# Allegro board 6089-119-RevA_41.brd (continued)
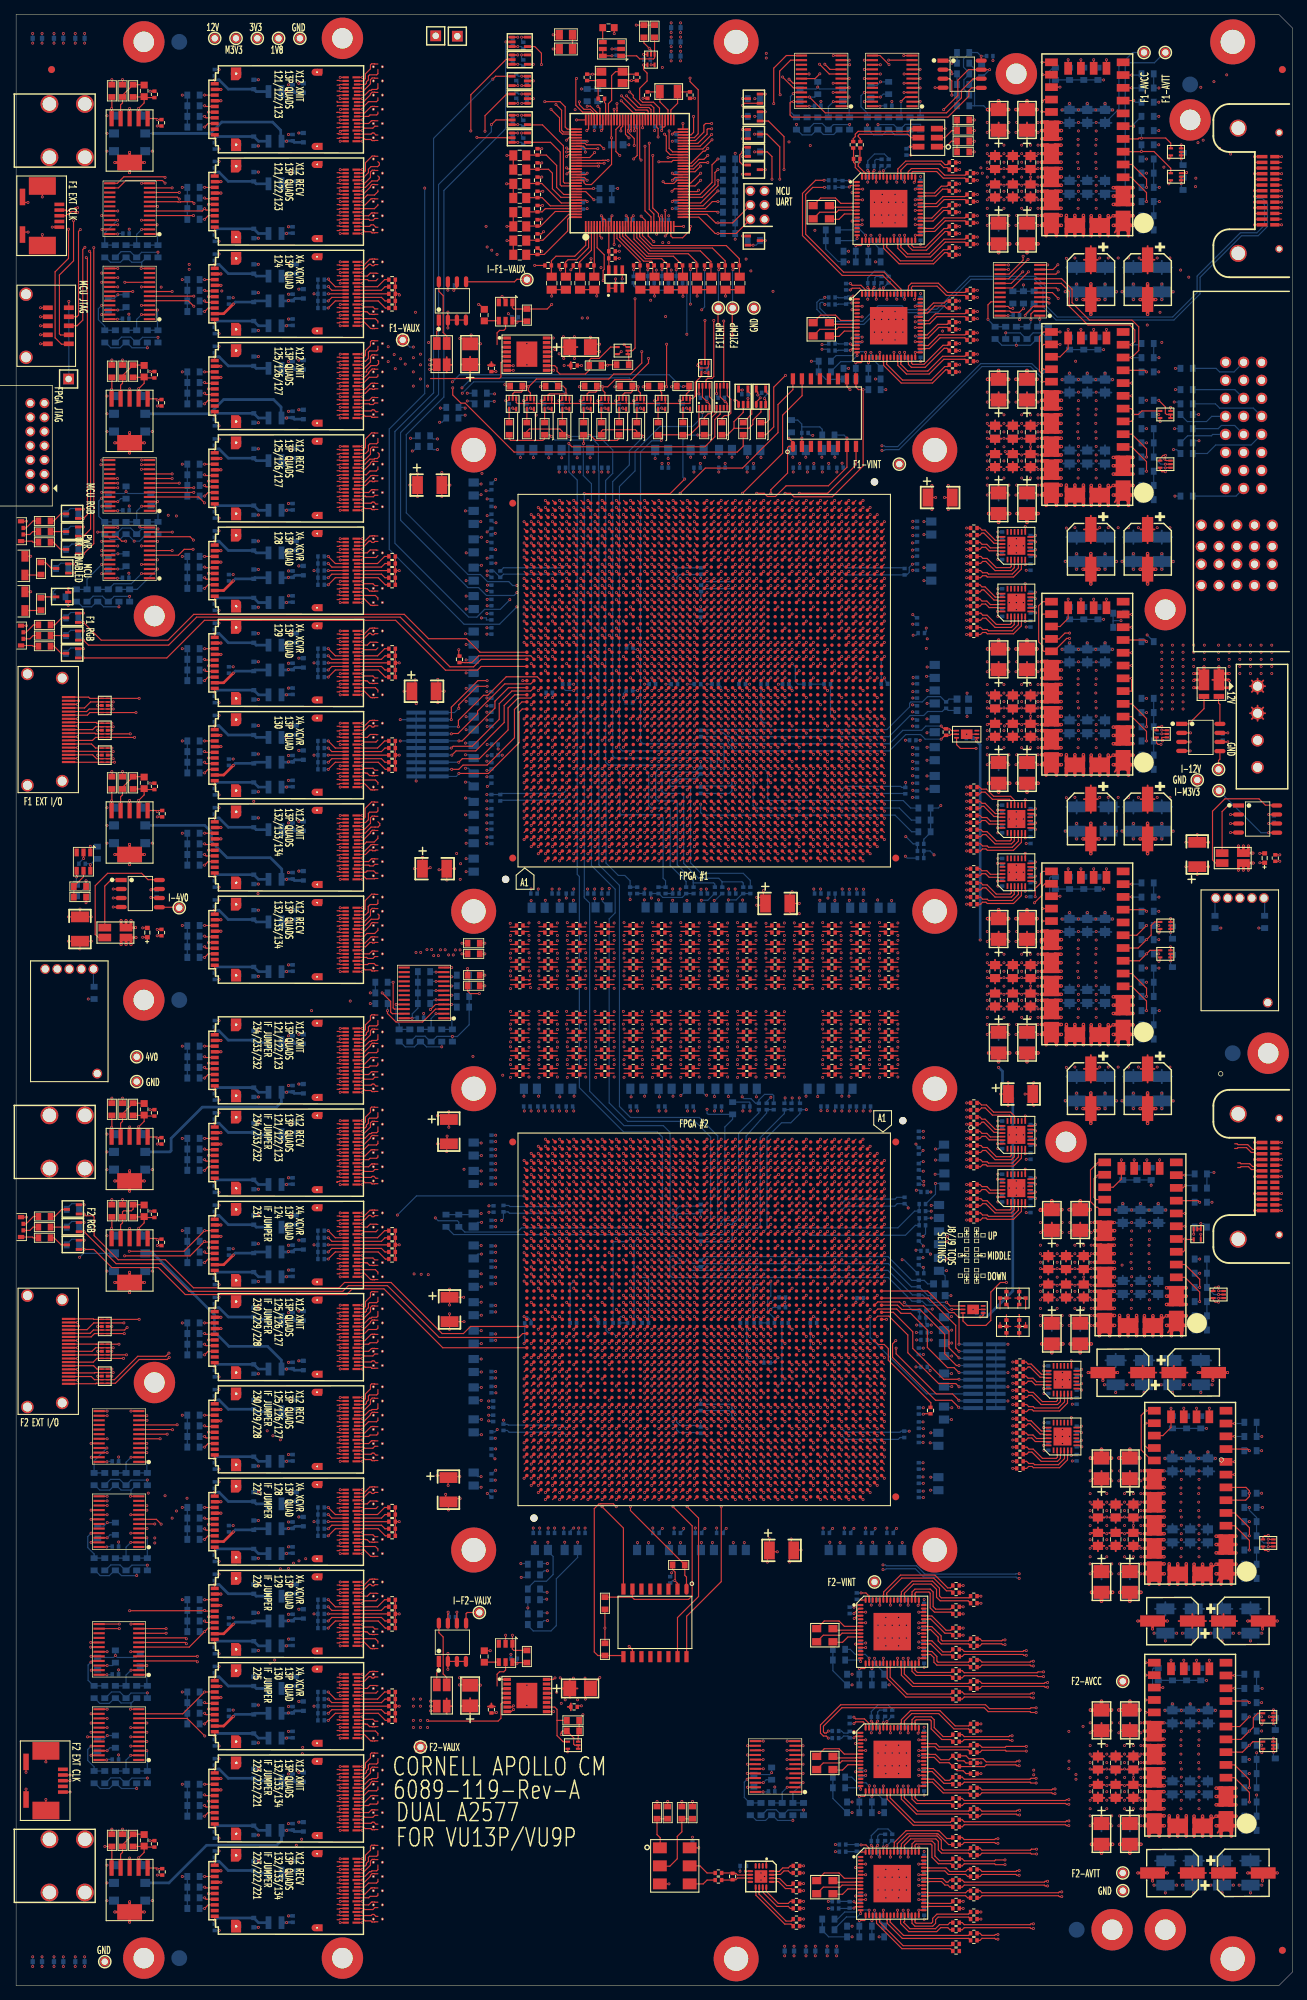
[diagram p0: board, top side]
## Nets (continued)
PCON1_TCDS_OUT: P2.22 U75.BH39
PCON2_TCDS_IN: J8.7 U77.BG32
PCON2_TCDS_MIXED_IN: J8.5 P3.21
PCON2_TCDS_MIXED_OUT: J9.5 P3.22
PCON2_TCDS_OUT: J9.7 U77.BH39
PF1_A_RECV0: C218.1 U75.AU2
PF1_A_RECV1: C216.1 U75.AT4
PF1_A_RECV2: C214.1 U75.AR2
PF1_A_RECV3: C212.1 U75.AP4
PF1_A_XMIT0: C226.2 U75.AU7
PF1_A_XMIT1: C224.2 U75.AT9
PF1_A_XMIT2: C222.2 U75.AR7
PF1_A_XMIT3: C220.2 U75.AP9
PF1_B_RECV0: C202.1 U75.AN2
PF1_B_RECV1: C200.1 U75.AM4
PF1_B_RECV2: C198.1 U75.AL2
PF1_B_RECV3: C196.1 U75.AK4
PF1_B_XMIT0: C210.2 U75.AN7
PF1_B_XMIT1: C208.2 U75.AM9
PF1_B_XMIT2: C206.2 U75.AL7
PF1_B_XMIT3: C204.2 U75.AK9
PF1_C_RECV0: C182.1 U75.AJ2
PF1_C_RECV1: C180.1 U75.AH4
PF1_C_RECV2: C178.1 U75.AG2
PF1_C_RECV3: C176.1 U75.AF4
PF1_C_XMIT0: C190.2 U75.AJ7
PF1_C_XMIT1: C188.2 U75.AH9
PF1_C_XMIT2: C186.2 U75.AG7
PF1_C_XMIT3: C184.2 U75.AF9
PF1_D_RECV0: C164.1 U75.AE2
PF1_D_RECV1: C162.1 U75.AD4
PF1_D_RECV2: C160.1 U75.AC2
PF1_D_RECV3: C158.1 U75.AB4
PF1_D_XMIT0: C172.2 U75.AE7
PF1_D_XMIT1: C170.2 U75.AD9
PF1_D_XMIT2: C168.2 U75.AC7
PF1_D_XMIT3: C166.2 U75.AB9
PF1_E_RECV0: C145.1 U75.AA2
PF1_E_RECV1: C143.1 U75.Y4
PF1_E_RECV2: C141.1 U75.W2
PF1_E_RECV3: C139.1 U75.V4
PF1_E_XMIT0: C153.2 U75.AA7
PF1_E_XMIT1: C151.2 U75.Y9
PF1_E_XMIT2: C149.2 U75.W7
PF1_E_XMIT3: C147.2 U75.V9
PF1_F_RECV0: C125.1 U75.U2
PF1_F_RECV1: C123.1 U75.T4
PF1_F_RECV2: C121.1 U75.R2
PF1_F_RECV3: C119.1 U75.P4
PF1_F_XMIT0: C133.2 U75.U7
PF1_F_XMIT1: C131.2 U75.T9
PF1_F_XMIT2: C129.2 U75.R7
PF1_F_XMIT3: C127.2 U75.P9
PF1_FF1_RECV0: U25A.A18 U75.BB48
PF1_FF1_RECV1: U25A.B18 U75.BC50
PF1_FF1_RECV2: U25A.A15 U75.BD48
PF1_FF1_RECV3: U25A.B15 U75.BE50
PF1_FF1_RECV4: U25A.A12 U75.BF48
PF1_FF1_RECV5: U25A.B12 U75.BG46
PF1_FF1_RECV6: U25A.A9 U75.BG50
PF1_FF1_RECV7: U25A.B9 U75.BH48
PF1_FF1_RECV8: U25A.A6 U75.BJ46
PF1_FF1_RECV9: U25A.B6 U75.BL46
PF1_FF1_RECV10: U25A.A3 U75.BL32
PF1_FF1_RECV11: U25A.B3 U75.BK34
PF1_FF1_XMIT0: U24A.B18 U75.BB43
PF1_FF1_XMIT1: U24A.A18 U75.BC45
PF1_FF1_XMIT2: U24A.B15 U75.BD43
PF1_FF1_XMIT3: U24A.A15 U75.BE45
PF1_FF1_XMIT4: U24A.B12 U75.BF43
PF1_FF1_XMIT5: U24A.A12 U75.BH43
PF1_FF1_XMIT6: U24A.B9 U75.BJ41
PF1_FF1_XMIT7: U24A.A9 U75.BG41
PF1_FF1_XMIT8: U24A.B6 U75.BK43
PF1_FF1_XMIT9: U24A.A6 U75.BL41
PF1_FF1_XMIT10: U24A.B3 U75.BK39
PF1_FF1_XMIT11: U24A.A3 U75.BL37
PF1_FF2_RECV0: U28A.A18 U75.AF48
PF1_FF2_RECV1: U28A.B18 U75.AG50
PF1_FF2_RECV2: U28A.A15 U75.AH48
PF1_FF2_RECV3: U28A.B15 U75.AJ50
PF1_FF2_RECV4: U28A.A12 U75.AK48
PF1_FF2_RECV5: U28A.B12 U75.AL50
PF1_FF2_RECV6: U28A.A9 U75.AM48
PF1_FF2_RECV7: U28A.B9 U75.AN50
PF1_FF2_RECV8: U28A.A6 U75.AP48
PF1_FF2_RECV9: U28A.B6 U75.AR50
PF1_FF2_RECV10: U28A.A3 U75.AT48
PF1_FF2_RECV11: U28A.B3 U75.AU50
PF1_FF2_XMIT0: U27A.B18 U75.AF43
PF1_FF2_XMIT1: U27A.A18 U75.AG45
PF1_FF2_XMIT2: U27A.B15 U75.AH43
PF1_FF2_XMIT3: U27A.A15 U75.AJ45
PF1_FF2_XMIT4: U27A.B12 U75.AK43
PF1_FF2_XMIT5: U27A.A12 U75.AL45
PF1_FF2_XMIT6: U27A.B9 U75.AM43
PF1_FF2_XMIT7: U27A.A9 U75.AN45
PF1_FF2_XMIT8: U27A.B6 U75.AP43
PF1_FF2_XMIT9: U27A.A6 U75.AR45
PF1_FF2_XMIT10: U27A.B3 U75.AT43
PF1_FF2_XMIT11: U27A.A3 U75.AU45
PF1_FF3_RECV0: U33A.A18 U75.C32
PF1_FF3_RECV1: U33A.B18 U75.B34
PF1_FF3_RECV2: U33A.A15 U75.A32
PF1_FF3_RECV3: U33A.B15 U75.A46
PF1_FF3_RECV4: U33A.A12 U75.C46
PF1_FF3_RECV5: U33A.B12 U75.E46
PF1_FF3_RECV6: U33A.A9 U75.D48
PF1_FF3_RECV7: U33A.B9 U75.E50
PF1_FF3_RECV8: U33A.A6 U75.F48
PF1_FF3_RECV9: U33A.B6 U75.G50
PF1_FF3_RECV10: U33A.A3 U75.H48
PF1_FF3_RECV11: U33A.B3 U75.J50
PF1_FF3_XMIT0: U32A.B18 U75.C37
PF1_FF3_XMIT1: U32A.A18 U75.A37
PF1_FF3_XMIT2: U32A.B15 U75.B39
PF1_FF3_XMIT3: U32A.A15 U75.A41
PF1_FF3_XMIT4: U32A.B12 U75.E41
PF1_FF3_XMIT5: U32A.A12 U75.C41
PF1_FF3_XMIT6: U32A.B9 U75.B43
PF1_FF3_XMIT7: U32A.A9 U75.D43
PF1_FF3_XMIT8: U32A.B6 U75.F43
PF1_FF3_XMIT9: U32A.A6 U75.G45
PF1_FF3_XMIT10: U32A.B3 U75.H43
PF1_FF3_XMIT11: U32A.A3 U75.J45
PF1_FF4_RECV0: U26A.B17 U75.BA50
PF1_FF4_RECV1: U26A.A17 U75.AY48
PF1_FF4_RECV2: U26A.B14 U75.AW50
PF1_FF4_RECV3: U26A.A14 U75.AV48
PF1_FF4_XMIT0: U26A.A3 U75.BA45
PF1_FF4_XMIT1: U26A.B3 U75.AY43
PF1_FF4_XMIT2: U26A.A6 U75.AW45
PF1_FF4_XMIT3: U26A.B6(TX4P) U75.AV43
PF1_FF5_RECV0: U29A.B17 U75.AE50
PF1_FF5_RECV1: U29A.A17 U75.AD48
PF1_FF5_RECV2: U29A.B14 U75.AC50
PF1_FF5_RECV3: U29A.A14 U75.AB48
PF1_FF5_XMIT0: U29A.A3 U75.AE45
PF1_FF5_XMIT1: U29A.B3 U75.AD43
PF1_FF5_XMIT2: U29A.A6 U75.AC45
PF1_FF5_XMIT3: U29A.B6(TX4P) U75.AB43
PF1_FF6_RECV0: U30A.B17 U75.AA50
PF1_FF6_RECV1: U30A.A17 U75.Y48
PF1_FF6_RECV2: U30A.B14 U75.W50
PF1_FF6_RECV3: U30A.A14 U75.V48
PF1_FF6_XMIT0: U30A.A3 U75.AA45
PF1_FF6_XMIT1: U30A.B3 U75.Y43
PF1_FF6_XMIT2: U30A.A6 U75.W45
PF1_FF6_XMIT3: U30A.B6(TX4P) U75.V43
PF1_FF7_RECV0: U31A.B17 U75.U50
PF1_FF7_RECV1: U31A.A17 U75.T48
PF1_FF7_RECV2: U31A.B14 U75.R50
PF1_FF7_RECV3: U31A.A14 U75.P48
PF1_FF7_XMIT0: U31A.A3 U75.U45
PF1_FF7_XMIT1: U31A.B3 U75.T43
PF1_FF7_XMIT2: U31A.A6 U75.R45
PF1_FF7_XMIT3: U31A.B6(TX4P) U75.P43
PF1_G_RECV0: C106.1 U75.N2
PF1_G_RECV1: C104.1 U75.M4
PF1_G_RECV2: C102.1 U75.L2
PF1_G_RECV3: C100.1 U75.K4
PF1_G_XMIT0: C114.2 U75.N7
PF1_G_XMIT1: C112.2 U75.M9
PF1_G_XMIT2: C110.2 U75.L7
PF1_G_XMIT3: C108.2 U75.K9
PF1_H_RECV0: C85.1 U75.J2
PF1_H_RECV1: C83.1 U75.H4
PF1_H_RECV2: C81.1 U75.G2
PF1_H_RECV3: C79.1 U75.F4
PF1_H_XMIT0: C93.2 U75.J7
PF1_H_XMIT1: C91.2 U75.H9
PF1_H_XMIT2: C89.2 U75.G7
PF1_H_XMIT3: C87.2 U75.F9
PF1_I_RECV0: C65.1 U75.E2
PF1_I_RECV1: C63.1 U75.D4
PF1_I_RECV2: C58.1 U75.E6
PF1_I_RECV3: C60.1 U75.C6
PF1_I_XMIT0: C73.2 U75.D9
PF1_I_XMIT1: C71.2 U75.B9
PF1_I_XMIT2: C68.2 U75.C11
PF1_I_XMIT3: C66.2 U75.E11
PF1_J_RECV0: C48.1 U75.A6
PF1_J_RECV1: C46.1 U75.A20
PF1_J_RECV2: C44.1 U75.B18
PF1_J_RECV3: C42.1 U75.C20
PF1_J_XMIT0: C56.2 U75.A11
PF1_J_XMIT1: C54.2 U75.B13
PF1_J_XMIT2: C50.2 U75.A15
PF1_J_XMIT3: C52.2 U75.C15
PF1_M_RECV0: C284.1 U75.BK18
PF1_M_RECV1: C286.1 U75.BL20
PF1_M_RECV2: C282.1 U75.BL6
PF1_M_RECV3: C280.1 U75.BJ6
PF1_M_XMIT0: C294.2 U75.BL15
PF1_M_XMIT1: C292.2 U75.BK13
PF1_M_XMIT2: C290.2 U75.BL11
PF1_M_XMIT3: C288.2 U75.BK9
PF1_N_RECV0: C270.1 U75.BH4
PF1_N_RECV1: C266.1 U75.BG2
PF1_N_RECV2: C268.1 U75.BG6
PF1_N_RECV3: C264.1 U75.BF4
PF1_N_XMIT0: C274.2 U75.BG11
PF1_N_XMIT1: C278.2 U75.BJ11
PF1_N_XMIT2: C276.2 U75.BH9
PF1_N_XMIT3: C272.2 U75.BF9
PF1_O_RECV0: C252.1 U75.BE2
PF1_O_RECV1: C250.1 U75.BD4
PF1_O_RECV2: C248.1 U75.BC2
PF1_O_RECV3: C246.1 U75.BB4
PF1_O_XMIT0: C260.2 U75.BE7
PF1_O_XMIT1: C258.2 U75.BD9
PF1_O_XMIT2: C256.2 U75.BC7
PF1_O_XMIT3: C254.2 U75.BB9
PF1_TCDS_CROSS_RECV_A: C240.2 U75.BH34
PF1_TCDS_CROSS_RECV_B: C241.2 U75.BH18
PF1_TCDS_CROSS_XMIT_A: C237.2 U75.BG37
PF1_TCDS_CROSS_XMIT_B: C243.2 U75.BG15
PF1_TEST_CONN_0: J5.1 U5.5 U5.6(NC(D2-)) U75.BD28
PF1_TEST_CONN_1: J5.4 U5.2 U5.9 U75.AW31
PF1_TEST_CONN_2: J5.7 U4.5 U4.6(NC(D2-)) U75.AV29
PF1_TEST_CONN_3: J5.10 U4.2 U4.9 U75.AU31
PF1_TEST_CONN_4: J5.14 U3.5 U3.6(NC(D2-)) U75.AY30
PF1_TEST_CONN_5: J5.15 U3.4 U3.7 U75.BA29
PF1F2_SPARE0: U75.E30 U77.BG29
PF1F2_SPARE1: U75.D28 U77.BF29
PF1F2_SPARE2: U75.C29 U77.BG26
PF2_A_RECV0: C133.1 U77.AP4
PF2_A_RECV1: C131.1 U77.AR2
PF2_A_RECV2: C129.1 U77.AT4
PF2_A_RECV3: C127.1 U77.AU2
PF2_A_XMIT0: C125.2 U77.AP9
PF2_A_XMIT1: C123.2 U77.AR7
PF2_A_XMIT2: C121.2 U77.AT9
PF2_A_XMIT3: C119.2 U77.AU7
PF2_B_RECV0: C153.1 U77.AK4
PF2_B_RECV1: C151.1 U77.AL2
PF2_B_RECV2: C149.1 U77.AM4
PF2_B_RECV3: C147.1 U77.AN2
PF2_B_XMIT0: C145.2 U77.AK9
PF2_B_XMIT1: C143.2 U77.AL7
PF2_B_XMIT2: C141.2 U77.AM9
PF2_B_XMIT3: C139.2 U77.AN7
PF2_C_RECV0: C172.1 U77.AF4
PF2_C_RECV1: C170.1 U77.AG2
PF2_C_RECV2: C168.1 U77.AH4
PF2_C_RECV3: C166.1 U77.AJ2
PF2_C_XMIT0: C164.2 U77.AF9
PF2_C_XMIT1: C162.2 U77.AG7
PF2_C_XMIT2: C160.2 U77.AH9
PF2_C_XMIT3: C158.2 U77.AJ7
PF2_D_RECV0: C190.1 U77.AB4
PF2_D_RECV1: C188.1 U77.AC2
PF2_D_RECV2: C186.1 U77.AD4
PF2_D_RECV3: C184.1 U77.AE2
PF2_D_XMIT0: C182.2 U77.AB9
PF2_D_XMIT1: C180.2 U77.AC7
PF2_D_XMIT2: C178.2 U77.AD9
PF2_D_XMIT3: C176.2 U77.AE7
PF2_E_RECV0: C210.1 U77.V4
PF2_E_RECV1: C208.1 U77.W2
PF2_E_RECV2: C206.1 U77.Y4
PF2_E_RECV3: C204.1 U77.AA2
PF2_E_XMIT0: C202.2 U77.V9
PF2_E_XMIT1: C200.2 U77.W7
PF2_E_XMIT2: C198.2 U77.Y9
PF2_E_XMIT3: C196.2 U77.AA7
PF2_F_RECV0: C226.1 U77.P4
PF2_F_RECV1: C224.1 U77.R2
PF2_F_RECV2: C222.1 U77.T4
PF2_F_RECV3: C220.1 U77.U2
PF2_F_XMIT0: C218.2 U77.P9
PF2_F_XMIT1: C216.2 U77.R7
PF2_F_XMIT2: C214.2 U77.T9
PF2_F_XMIT3: C212.2 U77.U7
PF2_FF1_RECV0: U35A.A18 U77.BB48
PF2_FF1_RECV1: U35A.B18 U77.BC50
PF2_FF1_RECV2: U35A.A15 U77.BD48
PF2_FF1_RECV3: U35A.B15 U77.BE50
PF2_FF1_RECV4: U35A.A12 U77.BF48
PF2_FF1_RECV5: U35A.B12 U77.BG46
PF2_FF1_RECV6: U35A.A9 U77.BG50
PF2_FF1_RECV7: U35A.B9 U77.BH48
PF2_FF1_RECV8: U35A.A6 U77.BJ46
PF2_FF1_RECV9: U35A.B6 U77.BL46
PF2_FF1_RECV10: U35A.A3 U77.BL32
PF2_FF1_RECV11: U35A.B3 U77.BK34
PF2_FF1_XMIT0: U34A.B18 U77.BB43
PF2_FF1_XMIT1: U34A.A18 U77.BC45
PF2_FF1_XMIT2: U34A.B15 U77.BD43
PF2_FF1_XMIT3: U34A.A15 U77.BE45
PF2_FF1_XMIT4: U34A.B12 U77.BF43
PF2_FF1_XMIT5: U34A.A12 U77.BH43
PF2_FF1_XMIT6: U34A.B9 U77.BJ41
PF2_FF1_XMIT7: U34A.A9 U77.BG41
PF2_FF1_XMIT8: U34A.B6 U77.BK43
PF2_FF1_XMIT9: U34A.A6 U77.BL41
PF2_FF1_XMIT10: U34A.B3 U77.BK39
PF2_FF1_XMIT11: U34A.A3 U77.BL37
PF2_FF2_RECV0: U38A.A18 U77.AF48
PF2_FF2_RECV1: U38A.B18 U77.AG50
PF2_FF2_RECV2: U38A.A15 U77.AH48
PF2_FF2_RECV3: U38A.B15 U77.AJ50
PF2_FF2_RECV4: U38A.A12 U77.AK48
PF2_FF2_RECV5: U38A.B12 U77.AL50
PF2_FF2_RECV6: U38A.A9 U77.AM48
PF2_FF2_RECV7: U38A.B9 U77.AN50
PF2_FF2_RECV8: U38A.A6 U77.AP48
PF2_FF2_RECV9: U38A.B6 U77.AR50
PF2_FF2_RECV10: U38A.A3 U77.AT48
PF2_FF2_RECV11: U38A.B3 U77.AU50
PF2_FF2_XMIT0: U37A.B18 U77.AF43
PF2_FF2_XMIT1: U37A.A18 U77.AG45
PF2_FF2_XMIT2: U37A.B15 U77.AH43
PF2_FF2_XMIT3: U37A.A15 U77.AJ45
PF2_FF2_XMIT4: U37A.B12 U77.AK43
PF2_FF2_XMIT5: U37A.A12 U77.AL45
PF2_FF2_XMIT6: U37A.B9 U77.AM43
PF2_FF2_XMIT7: U37A.A9 U77.AN45
PF2_FF2_XMIT8: U37A.B6 U77.AP43
PF2_FF2_XMIT9: U37A.A6 U77.AR45
PF2_FF2_XMIT10: U37A.B3 U77.AT43
PF2_FF2_XMIT11: U37A.A3 U77.AU45
PF2_FF3_RECV0: U43A.A18 U77.C32
PF2_FF3_RECV1: U43A.B18 U77.B34
PF2_FF3_RECV2: U43A.A15 U77.A32
PF2_FF3_RECV3: U43A.B15 U77.A46
PF2_FF3_RECV4: U43A.A12 U77.C46
PF2_FF3_RECV5: U43A.B12 U77.E46
PF2_FF3_RECV6: U43A.A9 U77.D48
PF2_FF3_RECV7: U43A.B9 U77.E50
PF2_FF3_RECV8: U43A.A6 U77.F48
PF2_FF3_RECV9: U43A.B6 U77.G50
PF2_FF3_RECV10: U43A.A3 U77.H48
PF2_FF3_RECV11: U43A.B3 U77.J50
PF2_FF3_XMIT0: U42A.B18 U77.C37
PF2_FF3_XMIT1: U42A.A18 U77.A37
PF2_FF3_XMIT2: U42A.B15 U77.B39
PF2_FF3_XMIT3: U42A.A15 U77.A41
PF2_FF3_XMIT4: U42A.B12 U77.E41
PF2_FF3_XMIT5: U42A.A12 U77.C41
PF2_FF3_XMIT6: U42A.B9 U77.B43
PF2_FF3_XMIT7: U42A.A9 U77.D43
PF2_FF3_XMIT8: U42A.B6 U77.F43
PF2_FF3_XMIT9: U42A.A6 U77.G45
PF2_FF3_XMIT10: U42A.B3 U77.H43
PF2_FF3_XMIT11: U42A.A3 U77.J45
PF2_FF4_RECV0: U36A.B17 U77.BA50
PF2_FF4_RECV1: U36A.A17 U77.AY48
PF2_FF4_RECV2: U36A.B14 U77.AW50
PF2_FF4_RECV3: U36A.A14 U77.AV48
PF2_FF4_XMIT0: U36A.A3 U77.BA45
PF2_FF4_XMIT1: U36A.B3 U77.AY43
PF2_FF4_XMIT2: U36A.A6 U77.AW45
PF2_FF4_XMIT3: U36A.B6(TX4P) U77.AV43
PF2_FF5_RECV0: U39A.B17 U77.AE50
PF2_FF5_RECV1: U39A.A17 U77.AD48
PF2_FF5_RECV2: U39A.B14 U77.AC50
PF2_FF5_RECV3: U39A.A14 U77.AB48
PF2_FF5_XMIT0: U39A.A3 U77.AE45
PF2_FF5_XMIT1: U39A.B3 U77.AD43
PF2_FF5_XMIT2: U39A.A6 U77.AC45
PF2_FF5_XMIT3: U39A.B6(TX4P) U77.AB43
PF2_FF6_RECV0: U40A.B17 U77.AA50
PF2_FF6_RECV1: U40A.A17 U77.Y48
PF2_FF6_RECV2: U40A.B14 U77.W50
PF2_FF6_RECV3: U40A.A14 U77.V48
PF2_FF6_XMIT0: U40A.A3 U77.AA45
PF2_FF6_XMIT1: U40A.B3 U77.Y43
PF2_FF6_XMIT2: U40A.A6 U77.W45
PF2_FF6_XMIT3: U40A.B6(TX4P) U77.V43
PF2_FF7_RECV0: U41A.B17 U77.U50
PF2_FF7_RECV1: U41A.A17 U77.T48
PF2_FF7_RECV2: U41A.B14 U77.R50
PF2_FF7_RECV3: U41A.A14 U77.P48
PF2_FF7_XMIT0: U41A.A3 U77.U45
PF2_FF7_XMIT1: U41A.B3 U77.T43
PF2_FF7_XMIT2: U41A.A6 U77.R45
PF2_FF7_XMIT3: U41A.B6(TX4P) U77.P43
PF2_H_RECV0: C260.1 U77.F4
PF2_H_RECV1: C258.1 U77.G2
PF2_H_RECV2: C256.1 U77.H4
PF2_H_RECV3: C254.1 U77.J2
PF2_H_XMIT0: C252.2 U77.F9
PF2_H_XMIT1: C250.2 U77.G7
PF2_H_XMIT2: C248.2 U77.H9
PF2_H_XMIT3: C246.2 U77.J7
PF2_I_RECV0: C274.1 U77.C6
PF2_I_RECV1: C278.1 U77.E6
PF2_I_RECV2: C276.1 U77.D4
PF2_I_RECV3: C272.1 U77.E2
PF2_I_XMIT0: C270.2 U77.E11
PF2_I_XMIT1: C266.2 U77.C11
PF2_I_XMIT2: C268.2 U77.B9
PF2_I_XMIT3: C264.2 U77.D9
PF2_J_RECV0: C294.1 U77.C20
PF2_J_RECV1: C292.1 U77.B18
PF2_J_RECV2: C290.1 U77.A20
PF2_J_RECV3: C288.1 U77.A6
PF2_J_XMIT0: C284.2 U77.C15
PF2_J_XMIT1: C286.2 U77.A15
PF2_J_XMIT2: C282.2 U77.B13
PF2_J_XMIT3: C280.2 U77.A11
PF2_M_RECV0: C56.1 U77.BJ6
PF2_M_RECV1: C54.1 U77.BL6
PF2_M_RECV2: C50.1 U77.BL20
PF2_M_RECV3: C52.1 U77.BK18
PF2_M_XMIT0: C48.2 U77.BK9
PF2_M_XMIT1: C46.2 U77.BL11
PF2_M_XMIT2: C44.2 U77.BK13
PF2_M_XMIT3: C42.2 U77.BL15
PF2_N_RECV0: C73.1 U77.BF4
PF2_N_RECV1: C71.1 U77.BG6
PF2_N_RECV2: C68.1 U77.BG2
PF2_N_RECV3: C66.1 U77.BH4
PF2_N_XMIT0: C65.2 U77.BF9
PF2_N_XMIT1: C63.2 U77.BH9
PF2_N_XMIT2: C58.2 U77.BJ11
PF2_N_XMIT3: C60.2 U77.BG11
PF2_O_RECV0: C93.1 U77.BB4
PF2_O_RECV1: C91.1 U77.BC2
PF2_O_RECV2: C89.1 U77.BD4
PF2_O_RECV3: C87.1 U77.BE2
PF2_O_XMIT0: C85.2 U77.BB9
PF2_O_XMIT1: C83.2 U77.BC7
PF2_O_XMIT2: C81.2 U77.BD9
PF2_O_XMIT3: C79.2 U77.BE7
PF2_P_RECV0: C114.1 U77.AV4
PF2_P_RECV1: C112.1 U77.AW2
PF2_P_RECV2: C110.1 U77.AY4
PF2_P_RECV3: C108.1 U77.BA2
PF2_P_XMIT0: C106.2 U77.AV9
PF2_P_XMIT1: C104.2 U77.AW7
PF2_P_XMIT2: C102.2 U77.AY9
PF2_P_XMIT3: C100.2 U77.BA7
PF2_TCDS_CROSS_RECV_A: C237.1 U77.BH34
PF2_TCDS_CROSS_RECV_B: C243.1 U77.BH18
PF2_TCDS_CROSS_XMIT_A: C240.1 U77.BG37
PF2_TCDS_CROSS_XMIT_B: C241.1 U77.BG15
PF2_TEST_CONN_0: J6.1 U8.5 U8.6(NC(D2-)) U77.BD28
PF2_TEST_CONN_1: J6.4 U8.2 U8.9 U77.AW31
PF2_TEST_CONN_2: J6.7 U7.5 U7.6(NC(D2-)) U77.AV29
PF2_TEST_CONN_3: J6.10 U7.2 U7.9 U77.AU31
PF2_TEST_CONN_4: J6.14 U6.5 U6.6(NC(D2-)) U77.AY30
PF2F1_SPARE0: U75.BG29 U77.E30
PF2F1_SPARE1: U75.BF29 U77.D28
PF2F1_SPARE2: U75.BG26 U77.C29
PG_1V8: R239.2 R240.1 R241.2 U68.32
PG_3V3: R242.2 R243.1 R244.2 U68.31
PG_4V0: R674.1 U2.1 U68.22
PG_F1_AVCC: R212.2 R213.1 R214.2 U68.44
PG_F1_AVTT: R209.2 R210.1 R211.2 U68.45
PG_F1_INT_A: U68.42 U110.4(Y)
PG_F1_INT_A1: R230.2 R231.1 R232.2 U110.1
PG_F1_INT_A2: R227.2 R228.1 R229.2 U110.2
PG_F1_INT_B: U68.43 U112.4(Y)
PG_F1_INT_B1: R223.2 R224.1 R225.2 U112.1
PG_F1_INT_B2: R220.2 R221.1 R222.2 U112.2
PG_F1_VCCAUX: R82.1 U47.1 U68.46
PG_F2_AVCC: R169.2 R170.1 R171.2 U68.59
PG_F2_AVTT: R166.2 R167.1 R168.2 U68.60
PG_F2_INT_A: U68.57 U124.4(Y)
PG_F2_INT_A1: R157.2 R158.1 R159.2 U124.1
PG_F2_INT_A2: R154.2 R155.1 R156.2 U124.2
PG_F2_INT_B: U68.58 U121.4(Y)
PG_F2_INT_B1: R180.2 R181.1 R182.2 U121.1
PG_F2_INT_B2: R177.2 R178.1 R179.2 U121.2
PG_F2_VCCAUX: R84.1 U48.1 U68.61
PMGT_F1_TO_SM_1: P2.9 U75.BH13
PMGT_F1_TO_SM_2: P2.10 U75.BF13
PMGT_F2_TO_SM_1: P3.9 U77.BH13
PMGT_F2_TO_SM_2: P3.10 U77.BF13
PMGT_SM_TO_F1_1: P2.3 U75.BG20
PMGT_SM_TO_F1_2: P2.4 U75.BF18
PMGT_SM_TO_F2_1: P3.3 U77.BG20
PMGT_SM_TO_F2_2: P3.4 U77.BF18
PTCDS_FROM_ZYNQ_A: J8.8 U75.BJ32
PTCDS_FROM_ZYNQ_B: J8.6 U75.BJ20
PTCDS_TO_ZYNQ_A: J9.8 U75.BJ37
PTCDS_TO_ZYNQ_B: J9.6 U75.BJ15
PV_1V8_SENSE: R78.1 U108.21
PV_3V3_SENSE: R76.1 U108.17
PV_F1_AVCC_SENSE: R474.1 U105.17
PV_F1_AVTT_SENSE: R481.1 U105.21
PV_F1_INT_SENSE: R487.1 U106.17 U106.21 U107.17 U107.21
PV_F2_AVCC_SENSE: R464.1 U118.17
PV_F2_AVTT_SENSE: R467.1 U118.21
PV_F2_INT_SENSE: R462.1 U109.17 U109.21 U117.17 U117.21
PXTAL_R0A: U86.8 X3.1
PXTAL_R0B: U87.8 X4.1
PXTAL_R1A: U91.8 X7.1
PXTAL_R1B: U90.8 X6.1
PXTAL_R1C: U89.8 X5.1
SM_CPLD_GPIO0: R186.2 R414.1 U68.40
SM_CPLD_GPIO1: R185.2 R413.1 U68.41
SM_IPMC_I2C_SCL: P1.22 R457.1 U68.91
SM_IPMC_I2C_SDA: P1.6 R458.1 U68.92
SM_IPMC_RX: R190.2 R415.1 U68.38
SM_IPMC_TX: R191.2 R416.1 U68.37
SM_JTAG_TCK: P1.18 R105.2 U62.2 U63.2
SM_JTAG_TDI: P1.19 R123.2 U73.2
SM_JTAG_TDO: P1.3 R138.2
SM_JTAG_TMS: P1.2 R81.2 U49.2 U58.2
SM_SOFT_PWR_EN: P1.7 U68.30
SM_TO_CM_PWR_EN: P1.17 R120.1 U70.2
SM_ZYNQ_GPIO1: R192.2 U68.25
SM_ZYNQ_GPIO2: R189.2 U68.24(UART7_TX/PC5)
SM_ZYNQ_I2C_SCL: P1.8 R418.1 U68.35
SM_ZYNQ_I2C_SDA: P1.23 R417.1 U68.36
SM_ZYNQ_RX: J7.4 R188.2 R419.1 U68.34
SM_ZYNQ_TX: J7.2 R187.2 R420.1 U68.33
SPARE_GPIO0: TP3.1 U68.111
SPARE_GPIO1: TP2.1 U68.112
SYN_R0A_IN_SEL0: U86.3 U88.15
SYN_R0A_IN_SEL1: U86.4 U88.16
SYN_R0B_IN_SEL0: U87.3 U88.17
SYN_R0B_IN_SEL1: U87.4 U88.18
SYN_R1A_IN_SEL0: U83.15 U91.3
SYN_R1A_IN_SEL1: U83.16 U91.4
SYN_R1B_IN_SEL0: U83.17 U90.3
SYN_R1B_IN_SEL1: U83.18 U90.4
SYN_R1C_IN_SEL0: U83.19 U89.3
SYN_R1C_IN_SEL1: U83.20 U89.4
TM4C_VDDC: C930.1 U68.87 U68.115
V_1V8: C448.1 C456.1 C464.1 C489.1 C497.1 C607.1 C624.1 C633.1 C634.1 C642.1 C649.1 C650.1 C651.1 C652.1 C657.1 C658.1 C661.1 C662.1 C664.1 C665.1 C666.1 C674.1 C683.1 C684.1 C685.1 C686.1 C687.1 C688.1 C689.1 C690.1 C691.1 C692.1 C693.1 C694.1 C695.1 C703.1 C711.1 C721.1 C723.1 C740.1 C741.1 C742.1 C743.1 C744.1 C745.1 C746.1 C747.1 C748.1 C749.1 C750.1 C751.1 C753.1 C754.1 C755.1 C756.1 C757.1 C758.1 C759.1 C760.1 C765.1 C770.1 C790.1 C791.1 C792.1 C793.1 C794.1 C795.1 C796.1 C797.1 C798.1 C799.1 C800.1 C801.1 C808.1 C813.1 C814.1 C815.1 C816.1 C817.1 C818.1 C819.1 C820.1 C821.1 C822.1 C863.1 C864.1 C872.1 C873.1 C875.1 C882.1 C887.1 C889.1 C898.1 C905.1 C909.1 C911.1 C913.1 C916.1 C918.1 C919.1 C923.1 C926.1 C929.1 C936.1 C941.1 C954.1 C959.1 C970.1 C975.1 C976.1 C979.1 C980.1 C981.1 C982.1 C983.1 C987.1 C997.1 C1000.1 C1003.1 C1013.1 C1029.1 C1032.1 C1038.1 C1041.1 C1047.1 C1052.1 C1055.1 C1058.1 C1059.1 C1060.1 C1065.1 C1068.1 C1069.1 C1070.1 C1090.1 C1095.1 C1097.1 C1099.1 C1107.1 C1112.1 C1114.1 C1116.1 C1230.1 C1231.1 L1.1 L4.1 L10.1 L17.1 L20.1 L23.1 L34.1 L41.1 L44.1 L47.1 PM8.1 R75.2 R78.2 R92.1 R110.1 R112.1 R113.1 R114.1 R126.1 R141.1 R143.1 R295.1 R296.1 R297.1 R298.2 R301.1 R303.1 R305.2 R329.1 R367.1 R380.2 R383.1 R387.1 R412.1 R433.1 R434.2 R441.1 R449.1 R475.2 R476.2 R477.2 R478.2 R479.1 R482.2 R483.1 R485.2 R488.2 R489.2 R490.2 R491.2 R493.2 R497.2 U44.24(VCC) U49.5 U50.1 U51.1 U52.5(VCCB) U53.5(VCCB) U54.1 U55.1 U58.5 U59.5 U60.5 U62.5 U63.5 U67.5 U69.5 U71.6(VDD) U72.2(VCC) U73.5 U74.5 U75.AA35 U75.AA37 U75.AB34 U75.AB36 U75.AC35 U75.AC37 U75.AD34 U75.AD36 U75.AD38 U75.AE35 U75.AE37 U75.AE39 U75.AF34 U75.AF36 U75.AF38 U75.AG35 U75.AG37 U75.AG39 U75.AH34 U75.AH36 U75.AH38 U75.AJ13 U75.AJ35 U75.AJ37 U75.AK34 U75.AK36 U75.AL35 U75.AL37 U75.AM34 U75.AM36 U75.AN35 U75.AN37 U75.AP34 U75.AP36 U75.AR19 U75.AT16 U75.AT36 U75.AU33 U75.AV20 U75.AV30 U75.AW17 U75.AW27 U75.AW37 U75.AY24 U75.AY34 U75.B28 U75.BA21 U75.BA31 U75.BB18 U75.BB28 U75.BC15 U75.BC25 U75.BC35 U75.BD22 U75.BD32 U75.BE29 U75.BF26 U75.BG23 U75.BH30 U75.BJ27 U75.BK24 U75.C25 U75.D22 U75.E29 U75.F26 U75.G23 U75.J17 U75.J27 U75.J37 U75.K24 U75.K34 U75.L21 U75.L31 U75.M18 U75.M28 U75.N15 U75.N25 U75.N35 U75.P22 U75.P32 U75.R19 U75.R29 U75.T14 U75.T16 U75.T26 U75.T36 U75.U33 U75.V20 U75.W35 U75.W37 U75.Y34 U75.Y36 U76.8 U77.AA35 U77.AA37 U77.AB34 U77.AB36 U77.AC35 U77.AC37 U77.AD34 U77.AD36 U77.AD38 U77.AE35 U77.AE37 U77.AE39 U77.AF34 U77.AF36 U77.AF38 U77.AG35 U77.AG37 U77.AG39 U77.AH34 U77.AH36 U77.AH38 U77.AJ13 U77.AJ35 U77.AJ37 U77.AK34 U77.AK36 U77.AL35 U77.AL37 U77.AM34 U77.AM36 U77.AN35 U77.AN37 U77.AP34 U77.AP36 U77.AR19 U77.AT16 U77.AT36 U77.AU33 U77.AV20 U77.AV30 U77.AW17 U77.AW27 U77.AW37 U77.AY24 U77.AY34 U77.B28 U77.BA21 U77.BA31 U77.BB18 U77.BB28 U77.BC15 U77.BC25 U77.BC35 U77.BD22 U77.BD32 U77.BE29 U77.BF26 U77.BG23 U77.BH30 U77.BJ27 U77.BK24 U77.C25 U77.D22 U77.E29 U77.F26 U77.G23 U77.J17 U77.J27 U77.J37 U77.K24 U77.K34 U77.L21 U77.L31 U77.M18 U77.M28 U77.N15 U77.N25 U77.N35 U77.P22 U77.P32 U77.R19 U77.R29 U77.T14 U77.T16 U77.T26 U77.T36 U77.U33 U77.V20 U77.W35 U77.W37 U77.Y34 U77.Y36 U78.5 U79.8 U80.1 U81.1 U82.5(VDD) U85.2(VCC) U86.22 U86.26 U86.29 U86.32 U86.33 U86.36 U86.40 U86.43 U86.46 U86.49 U86.52 U86.57(VDDO_9) U86.60 U87.22 U87.26 U87.29 U87.32 U87.33 U87.36 U87.40 U87.43 U87.46 U87.49 U87.52 U87.57(VDDO_9) U87.60 U89.22 U89.26 U89.29 U89.32 U89.33 U89.36 U89.40 U89.43 U89.46 U89.49 U89.52 U89.57(VDDO_9) U89.60 U90.22 U90.26 U90.29 U90.32 U90.33 U90.36 U90.40 U90.43 U90.46 U90.49 U90.52 U90.57(VDDO_9) U90.60 U91.22 U91.26 U91.29 U91.32 U91.33 U91.36 U91.40 U91.43 U91.46 U91.49 U91.52 U91.57(VDDO_9) U91.60 U92.6(VDD) U96.6 U96.19(VDDOB) U96.24 U97.6 U97.19(VDDOB) U97.24 U98.6 U98.19(VDDOB) U98.24 U99.6 U99.19(VDDOB) U99.24 U100.6 U100.19(VDDOB) U100.24 U101.6 U101.19(VDDOB) U101.24 U103.6 U103.19(VDDOB) U103.24 U104.6 U104.19(VDDOB) U104.24 U108.25 U108.26
V_3V3: C76.1 C77.1 C95.1 C96.1 C447.1 C455.1 C463.1 C488.1 C496.1 C606.1 C623.1 C641.1 C663.1 C673.1 C682.1 C702.1 C710.1 C827.1 C828.1 C829.1 C830.1 C831.1 C853.1 C906.1 C1053.1 C1056.1 C1061.1 C1063.1 C1066.1 C1071.1 C1073.1 C1074.1 C1075.1 C1076.1 C1077.1 C1078.1 C1079.1 C1080.1 C1081.1 C1082.1 C1083.1 C1084.1 C1085.1 C1086.1 C1087.1 C1089.1 C1091.1 C1092.1 C1094.1 C1096.1 C1098.1 C1100.1 C1101.1 C1103.1 C1104.1 C1106.1 C1108.1 C1109.1 C1111.1 C1113.1 C1115.1 C1117.1 C1118.1 C1120.1 C1227.1 C1228.1 D2.3 D3.3 D4.2 L5.1 L7.1 L8.1 L9.1 L11.1 L12.1 L14.1 L15.1 L16.1 L18.1 L19.1 L21.1 L22.1 L24.1 L25.1 L27.1 L28.1 L29.1 L31.1 L32.1 L33.1 L35.1 L36.1 L38.1 L39.1 L40.1 L42.1 L43.1 L45.1 L46.1 L48.1 L49.1 L51.1 L52.1 PM7.1 R76.2 R320.2 R322.2 R324.2 R326.2 R328.2 R340.2 R342.2 R344.2 R347.2 R349.2 R360.2 R361.2 R362.2 R363.2 R364.2 R365.2 R368.2 R369.2 R371.2 R372.2 R401.1 R402.1 R439.1 SW1.3 SW1.4 SW2.3 SW2.4 SW3.3 SW3.4 SW4.3 SW4.4 SW5.3 SW5.4 SW6.3 SW6.4 U56.12 U56.13 U56.14 U57.12 U57.13 U57.14 U86.13 U87.13 U89.13 U90.13 U91.13 U108.22 U108.23
V_4V0: C15.1 C16.1 C18.1 C19.1 C20.1 C21.1 PM2.1 R20.1 R435.1 U13.1 U16.1 U19.1 U20.1 U21.1 U22.1
V_12V: C1.1 C508.1 C509.1 C510.1 C511.1 C524.1 C533.1 C534.1 C535.1 C536.1 C537.1 C538.1 C539.1 C540.1 C541.1 C542.1 C546.1 C547.1 C549.1 C550.1 C555.1 C556.1 C557.1 C562.1 C567.1 C568.1 C569.1 C570.1 C571.1 C572.1 C575.1 C578.1 C579.1 C580.1 C581.1 C592.1 C597.1 C600.1 C603.1 C608.1 C629.1 C630.1 C631.1 C632.1 PM5.1 R98.1 R145.1 U1.2 U105.1 U105.28 U106.1 U106.28 U107.1 U107.28 U108.1 U108.28 U109.1 U109.28 U117.1 U117.28 U118.1 U118.28 U122.2
V_F1_AVCC: C441.1 C449.1 C457.1 C482.1 C490.1 C598.1 C617.1 C635.1 C653.1 C667.1 C676.1 C696.1 C704.1 C731.1 C732.1 C776.1 C777.1 C787.1 C788.1 C852.1 C855.1 C860.1 C862.1 C865.1 C866.1 C933.1 C934.1 C935.1 C938.1 C939.1 C940.1 C992.1 C993.1 C1007.1 C1008.1 C1027.1 C1036.1 PM22.1 R90.1 R474.2 U75.AB11 U75.AB41 U75.AC12 U75.AC40 U75.AD10 U75.AD42 U75.AF11 U75.AF41 U75.AH10 U75.AH42 U75.AJ12 U75.AJ40 U75.AK11 U75.AK41 U75.AM10 U75.AM42 U75.AP11 U75.AP41 U75.AR13 U75.AR39 U75.AT10 U75.AT42 U75.AU12 U75.AU40 U75.AV11 U75.AV41 U75.AW13 U75.AW39 U75.AY10 U75.AY42 U75.BB11 U75.BB41 U75.BD10 U75.BD42 U75.BE13 U75.BE39 U75.BF14 U75.BF15 U75.BF37 U75.BF38 U75.G13 U75.G17 U75.G35 U75.G39 U75.H10 U75.H42 U75.K11 U75.K41 U75.M10 U75.M42 U75.N12 U75.N40 U75.P11 U75.P41 U75.R13 U75.R39 U75.T10 U75.T42 U75.U12 U75.U40 U75.V11 U75.V41 U75.Y10 U75.Y42 U105.22 U105.23
V_F1_AVTT: C442.1 C450.1 C458.1 C483.1 C491.1 C599.1 C618.1 C636.1 C654.1 C668.1 C677.1 C697.1 C705.1 C730.1 C733.1 C778.1 C779.1 C785.1 C786.1 C826.1 C832.1 C835.1 C839.1 C854.1 C857.1 C946.1 C948.1 C951.1 C953.1 C955.1 C956.1 C994.1 C995.1 C1005.1 C1006.1 C1028.1 C1037.1 PM23.1 R89.1 R310.1 R311.1 R424.1 R425.1 R426.1 R427.1 R471.1 R472.1 R481.2 U75.A8 U75.A12 U75.A40 U75.A44 U75.AA8 U75.AA44 U75.AB6 U75.AB13 U75.AB39 U75.AB46 U75.AC9 U75.AC43 U75.AD7 U75.AD45 U75.AE8 U75.AE44 U75.AF6 U75.AF46 U75.AG9 U75.AG43 U75.AH7 U75.AH45 U75.AJ8 U75.AJ44 U75.AK6 U75.AK13 U75.AK39 U75.AK46 U75.AL9 U75.AL43 U75.AM7 U75.AM45 U75.AN8 U75.AN44 U75.AP6 U75.AP46 U75.AR9 U75.AR43 U75.AT7 U75.AT45 U75.AU8 U75.AU44 U75.AV6 U75.AV46 U75.AW9 U75.AW43 U75.AY7 U75.AY45 U75.B11 U75.B15 U75.B37 U75.B41 U75.BA8 U75.BA44 U75.BB6 U75.BB46 U75.BC9 U75.BC43 U75.BD7 U75.BD45 U75.BE8 U75.BE11 U75.BE41 U75.BE44 U75.BF11 U75.BF41 U75.BG9 U75.BG13 U75.BG39 U75.BG43 U75.BH10 U75.BH14 U75.BH38 U75.BH42 U75.BJ8 U75.BJ12 U75.BJ40 U75.BJ44 U75.BK11 U75.BK15 U75.BK37 U75.BK41 U75.BL9 U75.BL13 U75.BL39 U75.BL43 U75.C9 U75.C13 U75.C39 U75.C43 U75.D10 U75.D14 U75.D38 U75.D42 U75.E8 U75.E13 U75.E40 U75.E44 U75.F11 U75.F15 U75.F37 U75.F41 U75.G9 U75.G11 U75.G41 U75.G43 U75.H7 U75.H45 U75.J8 U75.J44 U75.K6 U75.K46 U75.L9 U75.L43 U75.M7 U75.M45 U75.N8 U75.N44 U75.P6 U75.P46 U75.R9 U75.R43 U75.T7 U75.T45 U75.U8 U75.U44 U75.V6 U75.V46 U75.W9 U75.W43 U75.Y7 U75.Y45 U105.25 U105.26
V_F1_FF1_3V8: C2.2 C9.1 R27.1 SW1.1 U13.2(VOUT)
V_F1_FF1_XMIT: C1054.1 C1088.1 L6.1 SW1.2
V_F1_FF2_3V8: C3.2 C10.1 R28.1 SW2.1 U16.2(VOUT)
V_F1_FF2_XMIT: C1057.1 C1093.1 L13.1 SW2.2
V_F1_FF3_3V8: C4.2 C11.1 R29.1 SW3.1 U19.2(VOUT)
V_F1_FF3_XMIT: C1062.1 C1102.1 L26.1 SW3.2
